# Altium PCB PCB1.PcbDoc (continued)
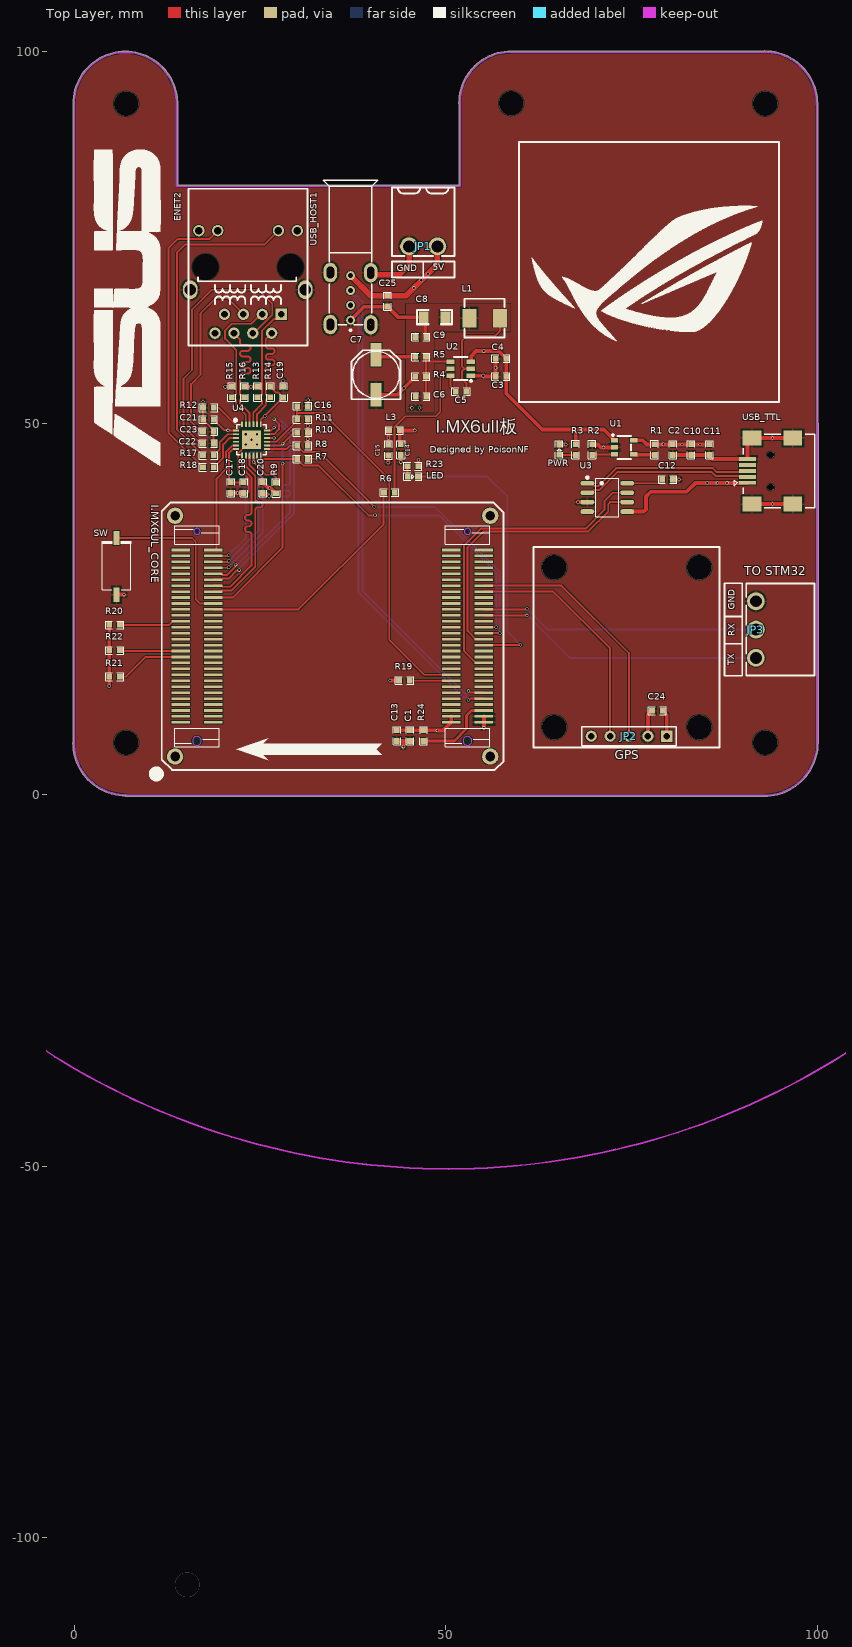
[diagram p0: Top Layer view]
## Part data
C1 C2 C3 C4 C5 C6 C8 C9 C10 C11 C12 C13 C14 C15 C16 C17 C18 C19 C20 C21 C22 C23 C24 C25: library part C
C7: library part C-CM, "贴片电解电容", BOM名称=贴片电解电容, 学习资源=www.ooocke.com, 版权归属=源创客
ENET2: "带灯以太网接口", BOM名称=带灯以太网接口, 学习资源=www.ooocke.com, 版权归属=源创客
I.MX6UL_CORE: library part I.MX6UL核心板, "I.MX6UL核心板"
JP1: Color=绿色, Current Rating (Max)=8A, JLCPCB Part Class="Extended Part", LCSC Part Name="板端/插座-闭口 1x2P 3.81mm 排数:1 每排P数:2 弯针", Manufacturer=KEFA(科发), Operating Temperature Range=-40℃~+105℃, Voltage Rating (Max)=300V, Add into BOM=yes, Connector Type=板端/插座-闭口, Convert to PCB=yes, Datasheet=https://atta.szlcsc.com/upload/public/pdf/source/20230331/6258E6C6BF04EFF922F3E5A9E72A4547.pdf, Device=KF2EDGR-3.81-2P, Manufacturer Part=KF2EDGR-3.81-2P, Mounting Style=弯针, Name=KF2EDGR-3.81-2P, Number of PINs Per Row=2, Number of Rows=1, Pitch=3.81mm, Structure=1x2P, Supplier=LCSC, Supplier Footprint=弯插,P=3.81mm, Supplier Part=C441182, Symbol=KF2EDGR-3.81-2P
JP2: "Header, 5-Pin", LatestRevisionDate=17-Jul-2002, LatestRevisionNote="Re-released for DXP Platform.", Publisher="Altium Limited"
JP3: Color=绿色, Current Rating (Max)=8A, JLCPCB Part Class="Extended Part", LCSC Part Name="板端/插座-闭口 3.81mm 排数:1 每排P数:3 弯针", Manufacturer=KEFA(科发), Operating Temperature Range=-40℃~+105℃, Voltage Rating (Max)=300V, Add into BOM=yes, Connector Type=板端/插座-闭口, Convert to PCB=yes, Datasheet=https://atta.szlcsc.com/upload/public/pdf/source/20191023/C441183_0DEFA45C98AD039C055774507C9A3105.pdf, Device=KF2EDGR-3.81-3P, Manufacturer Part=KF2EDGR-3.81-3P, Mounting Style=弯针, Name=KF2EDGR-3.81-3P, Number of PINs Per Row=3, Number of Rows=1, Pitch=3.81mm, Supplier=LCSC, Supplier Footprint=P=3.81mm, Supplier Part=C441183, Symbol=KF2EDGR-3.81-3P, Wire Gauge - AWG=-, Wire Gauge - mm?=-
L1: library part FXL0530-4R7-M, "4.7uH 5A", DC Resistance (DCR)=50mΩ, JLCPCB Part Class="Extended Part", LCSC Part Name="4.7uH ±20% 4.5A 50mΩ", Manufacturer=cjiang(长江微电), Rated Current=4.5A, Saturation Current (Isat)=5A, Tolerance=±20%, Add into BOM=yes, Convert to PCB=yes, Device=FXL0530-4R7-M, Manufacturer Part=FXL0530-4R7-M, Name=4.7uH, Supplier=LCSC, Supplier Footprint=SMD,5.4x5.2x2.8mm, Supplier Part=C177246, Symbol=FXL0530-4R7-M
L3: library part L, "小功率贴片电感磁珠", BOM名称=小功率贴片电感, 学习资源=www.ooocke.com, 版权归属=源创客
LED PWR: library part LED-SMD, "贴片LED", BOM名称=贴片LED, 学习资源=www.ooocke.com, 版权归属=源创客
R1 R2 R3 R4 R5 R6 R7 R8 R9 R10 R11 R12 R13 R14 R15 R16 R17 R18 R19 R20 R21 R22 R23 R24: library part R
SW: "红头按键", Contact Current=50mA, JLCPCB Part Class="Extended Part", LCSC Part Name="6.1*3.65*2.5mm 立贴 轻触开关", Manufacturer="SHOU HAN(首韩)", Operating Force=250gf@±30gf, Voltage Rating (DC)=36V, Actuator Style=矩形按钮, Add into BOM=yes, Circuit=单刀单掷, Convert to PCB=yes, Datasheet=https://atta.szlcsc.com/upload/public/pdf/source/20190816/C412368_ED995B38C5F41C525244887EA1991E6A.pdf, Device=TS3625A-HT, Manufacturer Part=TS3625A-HT, Mechanical Life=-, Mounting Style=立贴, Name=TS3625A-HT, Supplier=LCSC, Supplier Footprint=SMD,3.7x6.1mm, Supplier Part=C412368, Switch Height=2.5mm, Switch Length=6.1mm, Switch Width=3.65mm, Symbol=TS3625A-HT, With Lamp=-
U1: JLCPCB Part Class="Extended Part", Manufacturer=西安航天民芯, Add into BOM=yes, Convert to PCB=yes, Datasheet=https://atta.szlcsc.com/upload/public/pdf/source/20170418/1492481333031.pdf, Device=MT9700, LCSC Part Name=MT9700, Manufacturer Part=MT9700, Name=MT9700, Supplier=LCSC, Supplier Footprint=SOT-23-5, Supplier Part=C89855, Symbol=MT9700
U2: JLCPCB Part Class="Extended Part", LCSC Part Name="RY3825 Buck, 4-18V, 2A, 600KHz, VFB 0.768V, SOT23-6", Manufacturer=RYCHiP(蕊源), Add into BOM=yes, Convert to PCB=yes, Datasheet=https://atta.szlcsc.com/upload/public/pdf/source/20190329/C370760_D0EF026A080D1BEDE67CDD3EA56352B8.pdf, Device=RY3825, Manufacturer Part=RY3825, Name=RY3825, Supplier=LCSC, Supplier Footprint=SOT-23-6, Supplier Part=C370760, Symbol=RY3825
U3: library part CH340N_C2977777, Designer=U?, Device=CH340N_C2977777, Symbol=CH340N_C2977777
U4: library part LAN8720, "ETH PHY"
USB_HOST1: library part USB-A/S, "USB-A型母接口", BOM名称=USB-A型母接口, 学习资源=www.ooocke.com, 版权归属=源创客
USB_TTL: "微型USB母座", BOM名称=微型USB母座, 学习资源=www.ooocke.com, 版权归属=源创客

## Via types
v1: diameter 0.45, hole 0.3, Top Layer to Bottom Layer, 72 vias
v2: diameter 3.3, hole 3.3, Top Layer to Bottom Layer, 10 vias

## Nets (pads, with @x,y where several pads share a name; then routed paths per layer and width w, separated by ;. In a path a pad name is that pad's centre, name@x,y a point inside that pad or via, vN(x,y) a via of type N, cw(c..) or ccw(c..) an arc to the next point about the centre after c; other vN are vias at no path point)
5V: C1.2 C3.2 C4.2 C13.2 C24.2 C25.2 I.MX6UL_CORE.J2_1 I.MX6UL_CORE.J2_2 JP1.1 JP2.1 R3.2 R24.1 U1.1 U2.3 USB_HOST1.1 | length 59.5
  Top Layer w0.508: C13.2 43.446,8.671 47.014,8.671 R24.1 48.863,8.668 v1(48.895,8.636) 49.648,8.636 I.MX6UL_CORE.J2_1 I.MX6UL_CORE.J2_2 ; U2.3 53.419,58.334 53.464,58.334 53.464,59.052 54.102,59.69 v1(55.118,59.69) 57.15,59.69 C4.2 C3.2 58.166,53.975 62.992,49.149 67.203,49.149 ; R3.2 67.501,48.851 67.203,49.149 ; U1.1 72.53,47.686 72.484,47.732 72.484,47.932 71.267,49.149 67.203,49.149 ; C24.2 79.756,10.751 JP2.1
  Top Layer w0.762: USB_HOST1.1 39.922,67.139 C25.2 44.66,67.139 v1(45.72,68.199) v1(46.736,69.215) v1(47.625,70.104) 48.895,71.374 JP1.1
6D_INT: I.MX6UL_CORE.J2_22
AP_INT: I.MX6UL_CORE.J2_49
AUD_INT: I.MX6UL_CORE.J2_3
BEEP: I.MX6UL_CORE.J2_5
BLT_PWM: I.MX6UL_CORE.J2_16
BOOT_MODE0: I.MX6UL_CORE.J2_7
BOOT_MODE1: I.MX6UL_CORE.J2_8 R19.2 | length 5.6
  Top Layer w0.254: R19.2 45.199,15.336 I.MX6UL_CORE.J2_8
CAN1_RX: I.MX6UL_CORE.J2_35
CAN1_TX: I.MX6UL_CORE.J2_36
CAN2_RX: I.MX6UL_CORE.J2_40
CAN2_TX: I.MX6UL_CORE.J2_39
CSI_DATA0: I.MX6UL_CORE.J1_56
CSI_DATA1: I.MX6UL_CORE.J1_57
CSI_DATA2: I.MX6UL_CORE.J1_3
CSI_DATA3: I.MX6UL_CORE.J1_59
CSI_DATA4: I.MX6UL_CORE.J1_55
CSI_DATA5: I.MX6UL_CORE.J1_6
CSI_DATA6: I.MX6UL_CORE.J1_4
CSI_DATA7: I.MX6UL_CORE.J1_58
CSI_HSYNC: I.MX6UL_CORE.J1_1
CSI_MCLK: I.MX6UL_CORE.J1_2
CSI_PIXCLK: I.MX6UL_CORE.J1_5
CSI_PWDN: I.MX6UL_CORE.J2_14
CSI_RESET: I.MX6UL_CORE.J2_13
CSI_VSYNC: I.MX6UL_CORE.J1_60
CT_INT: I.MX6UL_CORE.J2_15
CT_RST: I.MX6UL_CORE.J1_48
D_N: U3.2 USB_TTL.2 | length 23
  Top Layer w0.254: U3.2 69.646,40.64 70.027,41.021 70.739,41.021 73.152,43.434 85.769,43.434 86.296,42.907 89.446,42.907 89.469,42.884 90.495,42.884 USB_TTL.2
D_P: U3.1 USB_TTL.3 | length 23
  Top Layer w0.254: U3.1 69.646,41.91 70.027,41.529 70.529,41.529 72.942,43.942 85.979,43.942 86.506,43.415 89.446,43.415 89.469,43.438 90.495,43.438 USB_TTL.3
ECSPI3_SCLK: I.MX6UL_CORE.J2_41 JP3.2 | length 37.8
  Top Layer w0.254: I.MX6UL_CORE.J2_41 60.824,24.936 60.907,25.019 v1(60.96,25.019)
  Bottom Layer w0.254: v1(60.96,25.019) 63.754,22.225 JP3.2
ECSPI3_SS0: I.MX6UL_CORE.J2_42 JP3.1 | length 39
  Top Layer w0.254: I.MX6UL_CORE.J2_42 55.151,24.133 60.957,24.133 v1(60.96,24.13)
  Bottom Layer w0.254: v1(60.96,24.13) 66.675,18.415 JP3.1
ENET1_CRS_DV: I.MX6UL_CORE.J2_25
ENET1_INT_TREE#: I.MX6UL_CORE.J2_11
ENET1_RST: I.MX6UL_CORE.J2_10
ENET1_RXD0: I.MX6UL_CORE.J2_26
ENET1_RXD1: I.MX6UL_CORE.J2_24
ENET1_RXER: I.MX6UL_CORE.J2_30
ENET1_TX_CLK: I.MX6UL_CORE.J2_29
ENET1_TXD0: I.MX6UL_CORE.J2_23
ENET1_TXD1: I.MX6UL_CORE.J2_28
ENET1_TXEN: I.MX6UL_CORE.J2_27
ENET2_CRS_DV: I.MX6UL_CORE.J1_33 U4.11 | length 18.1
  Top Layer w0.254: I.MX6UL_CORE.J1_33 20.668,31.336 v1(20.828,31.496) ; U4.11 24.626,44.892 v1(24.848,44.67)
  Bottom Layer w0.254: v1(20.828,31.496) 24.821,35.489 24.821,44.644 v1(24.848,44.67)
ENET2_INT_TREE#: I.MX6UL_CORE.J1_39 R10.2 U4.14 | length 30.9
  Top Layer w0.254: I.MX6UL_CORE.J1_39 21.329,26.536 28.067,33.274 v1(28.067,44.577) ; U4.14 27.825,47.002 v1(28.067,47.244) 29.551,48.728 R10.2
  Bottom Layer w0.254: v1(28.067,44.577) v1(28.067,47.244)
ENET2_LED1: R18.2 U4.3 | length 5.6
  Top Layer w0.254: R18.2 20.066,45.339 20.066,47.117 20.951,48.002 U4.3
ENET2_LED2: R17.2 U4.2 | length 4.7
  Top Layer w0.254: R17.2 19.614,46.487 19.614,47.431 20.062,47.879 20.066,47.879 20.689,48.502 U4.2
ENET2_RST: C16.1 I.MX6UL_CORE.J2_9 R11.2 U4.15 | length 55.1
  Top Layer w0.254: U4.15 27.182,47.502 30.023,50.343 R11.2 30.023,51.39 ; C16.1 30.023,52.277 30.023,51.39 ; I.MX6UL_CORE.J2_9 47.11,16.136 42.418,20.828 42.418,42.418 33.446,51.39 30.023,51.39
ENET2_RX_N: ENET2.6 R16.1 U4.22 | length 20
  Top Layer w0.254: ENET2.6 22.331,61.289 22.331,60.998 22.331,60.87 ccw(c22.712,60.87) 22.712,60.489 23.371,60.489 cw(c23.371,60.108) 23.371,59.727 22.712,59.727 ccw(c22.712,59.346) 22.712,58.965 23.371,58.965 cw(c23.371,58.584) 23.371,58.203 22.712,58.203 ccw(c22.712,57.822) 22.712,57.441 23.371,57.441 cw(c23.371,57.06) 23.371,56.679 22.712,56.679 ccw(c22.712,56.298) 22.331,56.298 22.331,55.753 22.331,53.869 22.48,53.72 22.691,53.72 R16.1 22.691,53.213 22.48,53.213 22.331,53.064 22.331,52.652 23.622,51.361 23.622,50.292
ENET2_RX_P: ENET2.3 R15.1 U4.23 | length 20
  Top Layer w0.254: 23.114,50.292 23.114,51.15 21.823,52.442 21.823,53.064 21.674,53.213 21.463,53.213 R15.1 21.463,53.721 21.674,53.721 21.823,53.87 21.823,59.838 20.32,61.341 20.32,62.484 21.209,63.373 23.876,63.373 25.148,64.645 ENET2.3
ENET2_RXD_N: I.MX6UL_CORE.J1_38 U4.8 | length 23.4
  Top Layer w0.254: I.MX6UL_CORE.J1_38 19.823,27.336 19.969,27.482 21.215,27.482 24.384,30.651 24.384,37.391 24.384,38.28 cw(c24.765,38.28) 24.765,38.661 25.006,38.661 ccw(c25.006,39.042) 25.006,39.423 24.765,39.423 cw(c24.765,39.804) 24.384,39.804 24.384,40.349 24.384,42.926 23.114,44.196 23.114,45.212
ENET2_RXD_P: I.MX6UL_CORE.J1_37 U4.7 | length 23.5
  Top Layer w0.254: I.MX6UL_CORE.J1_37 19.823,28.136 19.969,27.99 21.005,27.99 23.876,30.861 23.876,34.854 23.876,34.981 ccw(c23.495,34.981) 23.495,35.362 23.374,35.362 cw(c23.374,35.743) 23.374,36.124 23.495,36.124 ccw(c23.495,36.505) 23.495,36.886 23.374,36.886 cw(c23.374,37.267) 23.374,37.648 23.495,37.648 ccw(c23.495,38.029) 23.876,38.029 23.876,39.364 23.876,40.349 23.876,42.716 22.606,43.986 22.606,45.212
ENET2_RXER: I.MX6UL_CORE.J1_34 R9.2 U4.10 | length 25.7
  Top Layer w0.254: I.MX6UL_CORE.J1_34 20.757,30.536 v1(20.828,30.607) ; U4.10 24.128,45.649 24.128,44.781 v1(24.164,44.746) 24.164,44.715 25.826,43.053 26.797,43.053 27.178,42.672 R9.2
  Bottom Layer w0.254: v1(20.828,30.607) 20.828,30.66 21.225,31.057 21.225,31.091 25.4,35.267 25.4,44.958 25.019,45.339 24.384,45.339 24.164,45.119 v1(24.164,44.746)
ENET2_TX_CLK: I.MX6UL_CORE.J1_31 U4.5 | length 15.8
  Top Layer w0.254: I.MX6UL_CORE.J1_31 19.129,32.936 19.177,32.984 19.177,42.545 20.474,43.842 20.474,46.121 21.355,47.002 U4.5
ENET2_TX_N: ENET2.2 R14.1 U4.20 | length 16.9
  Top Layer w0.254: U4.20@24.631,50.238 24.631,51.218 25.802,52.389 25.802,53.065 25.951,53.214 26.163,53.214 R14.1 26.162,53.721 25.951,53.721 25.802,53.87 25.802,56.315 25.802,57.398 cw(c26.183,57.398) 26.18,57.779 26.637,57.782 ccw(c26.634,58.163) 27.015,58.167 ccw(c26.634,58.163) 26.631,58.544 26.19,58.541 cw(c26.186,58.922) 26.183,59.303 26.624,59.306 ccw(c26.621,59.687) 27.002,59.691 ccw(c26.621,59.687) 26.618,60.068 26.186,60.065 cw(c26.183,60.446) 25.802,60.446 25.802,61.28 26.393,61.871 26.595,62.073 ENET2.2
ENET2_TX_P: ENET2.1 R13.1 U4.21 | length 16.9
  Top Layer w0.254: U4.21@24.123,50.238 24.123,51.428 25.294,52.599 25.294,53.065 25.145,53.214 24.934,53.214 R13.1 24.934,53.721 25.145,53.721 25.294,53.87 25.294,62.403 26.901,64.01 27.23,64.01 ENET2.1
ENET2_TXD_N: I.MX6UL_CORE.J1_36 U4.17 | length 32
  Top Layer w0.254: I.MX6UL_CORE.J1_36 19.823,28.936 19.969,29.082 20.796,29.082 21.908,30.194 22.193,30.194 v1(22.225,30.226) ; 26.416,48.514 26.924,48.514 27.559,49.149 27.559,49.911 v1(26.924,50.546)
  Bottom Layer w0.254: v1(22.225,30.226) 22.263,30.264 22.263,30.487 29.591,37.815 29.591,48.641 28.029,50.203 27.267,50.203 v1(26.924,50.546)
ENET2_TXD_P: I.MX6UL_CORE.J1_35 U4.18 | length 31.9
  Top Layer w0.254: I.MX6UL_CORE.J1_35@17.673,29.736 I.MX6UL_CORE.J1_35 19.823,29.736 19.969,29.59 20.586,29.59 21.701,30.705 21.701,30.929 v1(21.739,30.966) ; U4.18@26.289,49.022 26.543,49.022 v1(26.924,49.403)
  Bottom Layer w0.254: v1(21.739,30.966) 21.771,30.998 22.056,30.998 29.083,38.026 29.083,38.873 29.083,39 ccw(c28.702,39) 28.702,39.381 28.435,39.381 cw(c28.435,39.762) 28.435,40.143 28.702,40.143 ccw(c28.702,40.524) 28.702,40.905 28.435,40.905 cw(c28.435,41.286) 28.435,41.667 28.702,41.667 ccw(c28.702,42.048) 29.083,42.048 29.083,42.928 29.083,48.431 27.819,49.695 27.216,49.695 v1(26.924,49.403)
ENET2_TXEN: I.MX6UL_CORE.J1_32 U4.16 | length 22.9
  Top Layer w0.254: I.MX6UL_CORE.J1_32 20.706,32.136 v1(20.828,32.258) ; U4.16 26.92,48.002 v1(26.924,48.006)
  Bottom Layer w0.254: v1(20.828,32.258) 23.114,34.544 23.114,45.466 23.749,46.101 26.416,46.101 26.924,46.609 v1(26.924,48.006)
ENET_MDC: I.MX6UL_CORE.J2_45 R8.1 U4.13 | length 50
  Top Layer w0.254: U4.13 28.581,46.502 29.035,46.956 R8.1 30.878,46.101 33.02,46.101 v1(40.386,38.735) ; I.MX6UL_CORE.J2_45@54.073,21.736 I.MX6UL_CORE.J2_45 57.258,21.736 v1(57.277,21.717)
  Bottom Layer w0.254: v1(40.386,38.735) 48.514,38.735 57.277,29.972 v1(57.277,21.717)
ENET_MDIO: I.MX6UL_CORE.J2_44 R7.1 U4.12 | length 47.5
  Top Layer w0.254: U4.12 25.126,45.38 25.325,45.181 R7.1 30.277,44.927 30.277,44.907 30.861,44.323 32.893,44.323 39.624,37.592 v1(40.513,37.592) ; I.MX6UL_CORE.J2_44 55.152,22.532 56.821,22.532 v1(56.825,22.528)
  Bottom Layer w0.254: v1(40.513,37.592) 49.156,37.592 56.825,29.923 v1(56.825,22.528)
GND: C1.1 C2.1 C3.1 C4.1 C7.2 C8.1 C9.1 C10.1 C11.1 C12.1 C13.1 C14.1 C15.1 C16.2 C17.1 C18.1 C19.1 C20.1 C21.1 C22.1 C23.1 C24.1 C25.1 ENET2.8 ENET2.13 ENET2.14 I.MX6UL_CORE.J2_59 I.MX6UL_CORE.J2_60 JP1.2 JP2.2 JP3.3 PWR.2 R2.2 R4.1 R12.1 SW.1 U1.2 U2.1 U3.3 U4.25 USB_HOST1.4 USB_HOST1.5 USB_TTL.5 | length 95.8
  Top Layer w0.254: v1@17.366,52.892 v1(17.361,52.887) R12.1 17.361,50.476 C21.1 18.536,49.301 18.536,49.12 C23.1 C22.1 ; C18.1 22.911,40.64 23.346,40.64 23.495,40.789 23.495,42.545 23.05,42.99 22.543,42.99 22.098,43.434 22.098,45.974 23.114,46.99 v1(23.114,47.117) 23.749,47.752 v1(23.876,47.752) ; C16.2 31.496,52.315 v1(31.496,53.086)
  Top Layer w0.508: SW.1 v1(6.731,26.924) ; C17.1 v1(21.984,40.589) C18.1 ; C20.1 25.527,40.462 25.976,40.462 v1(26.278,40.161) ; C19.1 v1(28.161,55.702) ; USB_HOST1.4 39.02,65.659 42.12,65.659 C25.1 43.605,64.262 C8.1 47.263,64.052 47.263,61.722 C9.1 ; C7.2 43.528,53.815 44.372,54.659 44.372,54.698 R4.1 ; v1(42.291,44.704) C15.1 ; C13.1 44.327,7.239 ; C14.1 43.964,44.766 v1(43.975,44.755) ; v1(44.323,6.477) 44.323,7.235 44.327,7.239 ; C1.1 44.327,7.239 ; U2.1 v1(55.05,56.388) 55.177,56.261 C3.1 C4.1 ; v1(55.147,8.995) I.MX6UL_CORE.J2_60 ; I.MX6UL_CORE.J2_60 I.MX6UL_CORE.J2_59 ; PWR.2 v1(66.165,47.119) v1@66.167,47.117 ; v1(67.818,39.37) U3.3 ; R2.2 69.745,47.117 70.485,47.117 70.866,46.736 U1.2 ; JP2.2 77.216,10.751 C24.1 ; C2.1 C11.1 85.617,45.583 85.617,45.459 85.915,45.161 90.618,45.161 90.618,47.403 91.226,48.011 v1(93.976,48.011) USB_TTL.5@96.726,48.011 ; C12.1 v1(81.407,42.418) ; USB_TTL.5@91.226,39.111 USB_TTL.5@96.726,39.111
  Top Layer w0.762: USB_HOST1.5@39.929,70.243 40.195,69.977 43.815,69.977 45.085,71.247 JP1.2
  other v1: 93.976,39.111 71.247,46.736 24.638,47.117 23.114,48.514 24.638,48.514 44.372,54.694 56.731,57.468
GPIO_0: I.MX6UL_CORE.J2_51
GPIO_3: I.MX6UL_CORE.J2_47 LED.2 | length 38.7
  Top Layer w0.254: LED.2 46.293,42.799 v1(48.26,42.799) ; I.MX6UL_CORE.J2_47 55.177,20.165 60.043,20.165 v1(60.071,20.193)
  Bottom Layer w0.254: v1(48.26,42.799) 55.626,42.799 58.293,40.132 58.293,21.971 v1(60.071,20.193)
GPIO_5: I.MX6UL_CORE.J1_47
I2C1_SCL: I.MX6UL_CORE.J2_33
I2C1_SDA: I.MX6UL_CORE.J2_34
I2C2_SCL: I.MX6UL_CORE.J2_31
I2C2_SDA: I.MX6UL_CORE.J2_32
JTAG_nTRST: I.MX6UL_CORE.J2_21
JTAG_TCK: I.MX6UL_CORE.J2_19
JTAG_TDI: I.MX6UL_CORE.J2_17
JTAG_TDO: I.MX6UL_CORE.J2_18
JTAG_TMS: I.MX6UL_CORE.J2_20
KEY0: I.MX6UL_CORE.J2_48
LCD_DATA0: I.MX6UL_CORE.J1_7
LCD_DATA1: I.MX6UL_CORE.J1_8
LCD_DATA2: I.MX6UL_CORE.J1_9
LCD_DATA3: I.MX6UL_CORE.J1_10
LCD_DATA4: I.MX6UL_CORE.J1_11
LCD_DATA5: I.MX6UL_CORE.J1_12 R21.2 | length 9.3
  Top Layer w0.254: R21.2 6.985,15.875 9.646,18.536 I.MX6UL_CORE.J1_12
LCD_DATA6: I.MX6UL_CORE.J1_13 R22.2 | length 8.2
  Top Layer w0.254: R22.2 6.274,19.336 I.MX6UL_CORE.J1_13
LCD_DATA7: I.MX6UL_CORE.J1_14
LCD_DATA8: I.MX6UL_CORE.J1_15
LCD_DATA9: I.MX6UL_CORE.J1_16
LCD_DATA10: I.MX6UL_CORE.J1_17
LCD_DATA11: I.MX6UL_CORE.J1_18 R20.2 | length 8.4
  Top Layer w0.254: R20.2 12.797,22.86 13.273,23.336 I.MX6UL_CORE.J1_18
LCD_DATA12: I.MX6UL_CORE.J1_19
LCD_DATA13: I.MX6UL_CORE.J1_20
LCD_DATA14: I.MX6UL_CORE.J1_21
LCD_DATA15: I.MX6UL_CORE.J1_22
LCD_DATA16: I.MX6UL_CORE.J1_23
LCD_DATA17: I.MX6UL_CORE.J1_24
LCD_DATA18: I.MX6UL_CORE.J1_25
LCD_DATA19: I.MX6UL_CORE.J1_26
LCD_DATA20: I.MX6UL_CORE.J1_27
LCD_DATA21: I.MX6UL_CORE.J1_28
LCD_DATA22: I.MX6UL_CORE.J1_29
LCD_DATA23: I.MX6UL_CORE.J1_30
LCD_DE: I.MX6UL_CORE.J1_46
LCD_HSYNC: I.MX6UL_CORE.J1_44
LCD_PCLK: I.MX6UL_CORE.J1_45
LCD_VSYNC: I.MX6UL_CORE.J1_43
NetC5_1: C5.1 U2.6 | length 2.4
  Top Layer w0.254: U2.6 50.673,54.908 C5.1
NetC5_2: C5.2 L1.2 U2.2 | length 15.6
  Top Layer w0.254: C5.2 52.788,55.394 52.197,55.985 52.197,56.988 52.547,57.338 ; U2.2 52.547,57.338 ; L1.2 57.295,62.375 56.642,61.722 52.832,61.722 52.197,61.087 52.197,57.658 52.517,57.338 52.547,57.338
NetC6_2: C6.2 R4.2 R5.2 U2.4 | length 8.9
  Top Layer w0.254: C6.2 47.371,53.626 R4.2 R5.2 48.013,58.288 U2.4
NetC12_2: C12.2 U3.8 | length 4.9
  Top Layer w0.254: U3.8 78.657,41.91 C12.2
NetC17_2: C17.2 C18.2 U4.6 | length 7
  Top Layer w0.254: U4.6 21.773,46.5 21.354,46.5 20.828,45.974 20.828,43.307 20.853,43.282 20.853,42.278 C17.2 21.175,42.024 21.193,42.006 22.842,42.006 C18.2
NetC22_2: C22.2 ENET2.4 | length 38.2
  Top Layer w0.254: C22.2@17.101,47.52 C22.2 ; C22.2@17.478,47.038 17.478,47.143 C22.2 ; ENET2.4 24.183,62.105 26.67,64.592 26.67,66.04 24.765,67.945 18.542,67.945 15.875,65.278 15.875,57.15 14.732,56.007 14.732,49.53 16.996,47.266 C22.2
NetC23_2: C23.2 ENET2.5 | length 24.5
  Top Layer w0.254: C23.2@17.07,48.843 15.748,50.165 15.748,55.245 17.018,56.515 17.018,64.77 19.05,66.802 20.701,66.802 22.785,64.718 ENET2.5
NetENET2_10: ENET2.10 R17.1 | length 43.9
  Top Layer w0.254: R17.1@17.554,45.438 17.554,45.476 17.107,45.923 17.069,45.923 13.843,49.149 13.843,72.898 14.986,74.041 25.651,74.041 ENET2.10
NetENET2_11: ENET2.11 R18.1 | length 39
  Top Layer w0.254: R18.1 12.7,48.73 12.7,73.533 13.97,74.803 18.243,74.803 ENET2.11
NetLED_1: LED.1 R23.2 | length 1.4
  Top Layer w0.254: R23.2 44.875,42.831 LED.1
NetPWR_1: PWR.1 R3.1 | length 2.2
  Top Layer w0.254: PWR.1 67.469,45.735 R3.1
NetR1_1: R1.1 U1.4 | length 2.8
  Top Layer w0.508: U1.4 75.371,45.745 78.083,45.745 R1.1
NetR2_1: R2.1 U1.3 | length 3
  Top Layer w0.254: R2.1 69.806,45.786 U1.3
NetR6_2: R6.2 U2.5 | length 22.4
  Top Layer w0.254: R6.2 43.136,49.486 44.577,50.927 48.641,50.927 49.276,51.562 49.276,56.261 50.18,57.165 50.5,57.165 U2.5
NetR12_2: R12.2 U4.24 | length 4.7
  Top Layer w0.254: R12.2 19.481,52.07 21.698,49.853 U4.24
nUSB_OTG_CHD: I.MX6UL_CORE.J2_52
ON_OFF: I.MX6UL_CORE.J2_4
PMIC_ON_REQ: I.MX6UL_CORE.J1_41 R6.1 | length 31.9
  Top Layer w0.254: I.MX6UL_CORE.J1_41 30.196,24.936 41.656,36.396 41.656,40.596 R6.1
PPS: JP2.5
RESET: I.MX6UL_CORE.J1_40 SW.2 | length 21.2
  Top Layer w0.254: SW.2 15.875,34.544 16.383,34.036 16.383,26.289 16.936,25.736 I.MX6UL_CORE.J1_40
SD1_CLK: I.MX6UL_CORE.J1_54
SD1_CMD: I.MX6UL_CORE.J1_53
SD1_DATA0: I.MX6UL_CORE.J1_49
SD1_DATA1: I.MX6UL_CORE.J1_50
SD1_DATA2: I.MX6UL_CORE.J1_52
SD1_DATA3: I.MX6UL_CORE.J1_51
SMVS_TAMPER2: I.MX6UL_CORE.J2_12
SNVS_TAMPER0: I.MX6UL_CORE.J2_6
UART1_RTS: I.MX6UL_CORE.J2_43
UART1_RXD: I.MX6UL_CORE.J2_46 U3.6 | length 38.5
  Top Layer w0.254: I.MX6UL_CORE.J2_46 54.073,20.936 52.959,22.05 52.959,33.274 55.118,35.433 69.215,35.433 71.882,38.1 71.882,39.116 72.136,39.37 U3.6
UART1_TXD: I.MX6UL_CORE.J2_50 U3.7 | length 43.1
  Top Layer w0.254: I.MX6UL_CORE.J2_50 54.073,17.736 52.451,19.358 52.451,33.528 54.737,35.814 68.834,35.814 71.374,38.354 71.374,39.497 72.517,40.64 U3.7
UART3_RXD: I.MX6UL_CORE.J2_37 JP2.3 | length 34.5
  Top Layer w0.254: I.MX6UL_CORE.J2_37 65.59,28.136 74.676,19.05 JP2.3
UART3_TXD: I.MX6UL_CORE.J2_38 JP2.4 | length 32
  Top Layer w0.254: I.MX6UL_CORE.J2_38 64.485,27.336 72.136,19.685 JP2.4
USB_OTG1_D_N: I.MX6UL_CORE.J2_53
USB_OTG1_D_P: I.MX6UL_CORE.J2_54
USB_OTG1_VBUS: I.MX6UL_CORE.J2_57
USB_OTG2_D_N: I.MX6UL_CORE.J2_55 USB_HOST1.2 | length 63.8
  Top Layer w0.254: USB_HOST1.2 USB_HOST1.2@37.306,67.85 ; v1(53.086,13.97) 53.32,13.736 I.MX6UL_CORE.J2_55
  Bottom Layer w0.254: USB_HOST1.2 37.211,67.594 37.493,67.312 37.493,67.253 37.642,67.104 38.063,67.104 38.802,66.365 38.802,59.944 38.802,57.277 38.802,27.416 52.629,13.589 52.839,13.589 52.988,13.738 52.988,13.819 53.086,13.917 v1(53.086,13.97)
USB_OTG2_D_P: I.MX6UL_CORE.J2_56 USB_HOST1.3 | length 64
  Top Layer w0.254: USB_HOST1.3 USB_HOST1.3@37.392,65.669 ; v1(53.086,12.7) 53.322,12.936 I.MX6UL_CORE.J2_56
  Bottom Layer w0.254: USB_HOST1.3 37.211,66.106 37.493,66.388 37.493,66.447 37.642,66.596 37.852,66.596 38.294,66.155 38.294,27.206 52.418,13.081 52.839,13.081 52.988,12.932 52.988,12.851 53.086,12.753 v1(53.086,12.7)
USB_OTG2_VBUS: I.MX6UL_CORE.J2_58 R24.2 | length 10.9
  Top Layer w0.381: R24.2 51.175,7.233 52.832,8.89 52.832,10.668 53.5,11.336 I.MX6UL_CORE.J2_58
VCC_3V3: C6.1 C7.1 C8.2 C9.2 C14.2 L1.1 L3.1 R5.1 R19.1 R20.1 R21.1 R22.1 R23.1 | length 20.2
  Top Layer w0.381: C14.2 C14.2@44.009,47.184
  Top Layer w0.508: v1@4.733,14.625 v1(4.743,14.635) R21.1 R22.1 R20.1 ; C7.1 40.925,58.93 R5.1 R5.1@45.945,58.94 ; v1(42.545,15.367) R19.1 ; C14.2 43.815,47.288 L3.1 v1(45.847,49.022) ; C9.2@45.945,61.585 C9.2 ; R23.1 46.355,44.24 v1(46.355,45.085) ; C8.2@50.038,64.214 C8.2@50.03,64.206 ; C8.2@50.101,64.135 C8.2@50.03,64.206 ; C8.2@50.03,64.206 C8.2 49.974,64.15 C8.2@50.03,64.206
  other v1: 45.466,52.07 46.482,52.07
VDD_COIN_3V: I.MX6UL_CORE.J1_42
VENET_3V3: C15.2 C19.2 C20.2 C21.2 ENET2.9 ENET2.12 L3.2 R7.2 R8.2 R9.1 R10.1 R11.1 R13.2 R14.2 R15.2 R16.2 U4.1 U4.9 U4.19 | length 26.9
  Top Layer w0.254: C21.2 20.213,49.06 20.663,49.06 20.719,49.004 21.773,49.004 U4.1 ; U4.9 23.625,45.65 23.625,44.326 25.314,42.638 25.314,42.111 C20.2 ; U4.19 25.126,50.425 C19.2 27.52,54.102 27.216,54.102 R14.2 ; R7.2 31.489,45.212 v1(32.639,45.212)
  Top Layer w0.508: v1@20.32,54.864 20.358,54.902 R15.2 ; R16.2 R13.2 ; C20.2 26.149,41.275 26.46,41.275 R9.1 ; R8.2 31.458,47.849 31.458,49.632 v1(31.451,49.639) 31.458,49.646 R11.1 ; C15.2 42.316,47.142 42.316,48.958 L3.2
  other v1: 26.289,41.275 31.438,47.849 42.316,48.026 20.701,49.022 25.654,50.927 20.339,54.883 23.812,54.902
VUSB: C2.2 C10.2 C11.2 R1.2 U1.5 U3.5 USB_TTL.1 | length 29.2
  Top Layer w0.508: U3.5 76.664,38.1 76.962,38.398 76.962,40.132 77.597,40.767 82.423,40.767 83.617,41.961 85.189,41.961 v1(85.198,41.953) 85.206,41.961 86.574,41.961 86.577,41.959 v1(87.88,41.959) 87.882,41.961 USB_TTL.1 ; U1.5 76.52,47.686 77.089,47.117 85.462,47.117 C11.2
  other v1: 86.574,41.951 81.805,47.124 84.273,47.124 79.307,47.153
pads on no net: ENET2.0 ENET2.7 I.MX6UL_CORE.0 U3.4 U4.4 USB_TTL.4 USB_TTL.MH1 USB_TTL.MH2
copper on no net:
  other v2: 15.244,-106.308 7,7 93,7 64.599,9.11 84.119,9.11 64.599,30.59 84.119,30.59 7,93 93,93 58.816,93.039

## Polygon pours and split planes (outlines as drawn)
GND on Bottom Layer "NONET_L-01_P-001" (solid, remove dead copper, pour order 2): -6.858,104.013 107.95,104.013 107.95,-8.128 -6.731,-8.128
GND on Top Layer "NONET_L-01_P-001" (solid, remove dead copper, pour order 1): -6.858,104.013 107.95,104.013 107.95,-8.128 -6.731,-8.128
VCC_3V3 on Top Layer "NONET_L-01_P-001" (solid, remove dead copper, pour order 0): 44.704,66.04 44.704,51.435 48.387,51.435 48.387,62.357 58.674,62.357 58.674,62.738 58.674,66.04
VCC_3V3 on PWR (split plane): 47.369,43.434 47.369,11.813 42.291,11.813 42.241,11.804 42.199,11.776 42.171,11.734 42.162,11.684 42.162,7.62 42.162,6.858 42.162,6.477 42.162,0.798 7.288,0.798 7.202,0.828 7.114,0.845 7.049,0.872 7.049,0.855 7.071,0.854 7.114,0.845 7.071,0.854 7.049,0.855 6.938,0.862 6.929,0.862 6.642,0.87 6.301,0.899 5.961,0.947 5.625,1.013 5.293,1.099 4.966,1.203 4.646,1.325 4.333,1.465 4.029,1.623 3.733,1.797 3.448,1.987 3.175,2.193 2.913,2.415 2.664,2.65 2.428,2.899 2.207,3.161 2.001,3.435 1.81,3.72 1.636,4.015 1.479,4.32 1.339,4.633 1.217,4.953 1.112,5.28 1.027,5.612 0.96,5.948 0.912,6.287 0.883,6.629 0.878,6.8 0.949,6.971 0.891,6.971 0.896,7.04 0.896,39.622 43.18,39.622 43.23,39.631 43.272,39.659 43.3,39.701 43.309,39.751 43.309,61.466 47.369,61.466
5V on PWR (split plane): 51.56,60.452 51.569,60.402 51.597,60.36 51.639,60.332 51.689,60.323 59.18,60.323 59.18,51.562 59.18,11.684 59.189,11.634 59.217,11.592 59.259,11.564 59.309,11.555 81.532,11.555 81.532,6.477 81.532,0.798 42.42,0.798 42.42,6.858 42.42,7.62 42.42,11.555 47.498,11.555 47.548,11.564 47.59,11.592 47.618,11.634 47.627,11.684 47.627,43.434 47.627,61.595 47.618,61.645 47.59,61.687 47.548,61.715 47.498,61.724 32.514,61.724 32.514,81.024 51.56,81.024
no net on PWR (split plane): 0.887,6.907 0.877,6.856 0.877,6.857 0.887,6.907 0.891,6.971
VENET_3V3 on PWR (split plane): 6.903,99.008 6.903,99.007 6.904,99.007 6.906,99.007 6.909,99.007 6.911,99.007 6.929,99.008 7.236,99 7.572,98.971 7.906,98.924 8.237,98.858 8.563,98.774 8.884,98.672 9.199,98.552 9.507,98.414 9.806,98.259 10.097,98.088 10.377,97.901 10.647,97.698 10.904,97.48 11.149,97.249 11.381,97.004 11.598,96.746 11.801,96.477 11.988,96.196 12.16,95.906 12.314,95.607 12.452,95.299 12.572,94.984 12.675,94.663 12.759,94.336 12.825,94.006 12.872,93.672 12.898,93.357 12.899,93.357 12.9,93.345 12.844,93.345 12.918,93.167 12.918,82.042 12.926,81.909 12.952,81.779 12.995,81.653 13.054,81.533 13.128,81.423 13.216,81.322 13.316,81.235 13.427,81.161 13.546,81.102 13.672,81.059 13.803,81.033 13.936,81.024 32.256,81.024 32.256,61.595 32.265,61.545 32.293,61.503 32.335,61.475 32.385,61.466 43.051,61.466 43.051,39.88 0.896,39.88 0.896,92.965 0.893,92.999 0.965,92.999 0.894,93.17 0.898,93.336 0.927,93.672 0.974,94.006 1.04,94.336 1.124,94.663 1.226,94.984 1.346,95.299 1.484,95.607 1.639,95.906 1.81,96.197 1.997,96.477 2.2,96.746 2.418,97.004 2.649,97.249 2.894,97.48 3.152,97.698 3.421,97.901 3.702,98.088 3.992,98.259 4.291,98.414 4.599,98.552 4.914,98.672 5.235,98.774 5.562,98.859 5.892,98.924 6.226,98.971 6.562,99 6.856,99.008 6.853,98.955 6.903,98.934 6.903,99.007 6.881,99.009 6.884,99.009
VUSB on PWR (split plane): 99.09,34.292 62.994,34.292 62.994,52.83 99.081,52.83
no net on PWR (split plane): 153 vertices, not listed, extent 51.818,0.797 99.105,99.058
no net on PWR (split plane): 93.026,99.06 93.004,99.056 92.929,99.051 93.004,99.056 93.026,99.06
no net on PWR (split plane): 99.046,92.892 99.061,92.819 99.046,92.892 99.042,92.951
GND on GND (split plane): 266 vertices, not listed, extent 0.367,0.289 99.613,99.569
no net on GND (split plane): 6.904,99.515 6.886,99.517 6.89,99.517
GND on GND (split plane): 52.316,93.061 52.3,93.115
GND on GND (split plane): 92.986,99.569 92.971,99.564 92.929,99.56 92.971,99.564 92.986,99.569

## Keep-outs
Keep-Out Layer:
  lines w0.254: -0.015,6.971 ccw(c6.985,6.971) 6.985,-0.029 ; 0,92.999 cw(c6.899,92.999) 6.904,99.898 ; 0.005,6.951 0.005,93 ; 6.899,99.898 cw(c6.899,92.999) 13.798,92.999 ; 7.049,-0.093 92.867,-0.093 ccw(c92.867,7.035) 99.995,7.035 99.951,92.951 ; 13.808,93.345 13.808,81.915 51.943,81.915 51.943,93.472 ; 51.917,93.039 cw(c58.816,93.039) 58.816,99.938 92.915,99.938 ; 92.929,99.951 cw(c92.929,92.951) 99.929,92.951 ; 150.114,44.344 cw(c50.255,49.651) 150.252,50.44

## Other copper
PWR (plane layer: these items are gaps in the copper):
  lines w0.254: 0,39.751 43.18,39.751 43.18,61.595 ; 32.385,82.042 32.385,61.595 44.704,61.595 47.498,61.595 47.498,43.434 47.498,11.684 44.704,11.684 42.291,11.684 42.291,7.62 42.291,6.477 ; 42.291,6.858 42.291,0.254 42.672,-0.127 44.704,-0.127 ; 51.689,82.042 51.689,60.452 59.309,60.452 59.309,51.562 59.309,11.684 81.661,11.684 81.661,6.477 81.661,-0.127 ; 100.076,34.163 62.865,34.163 62.865,52.959 100.076,52.959

## Silkscreen, mask and mechanical layers (free items; w line width, h text height)
Top Overlay:
  drawing of 28 lines, arcs and shapes, not listed
  text "5V" at 48.26,70.247 h1.52
  text "GND" at 43.434,70.12 h1.52
  text "I.MX6ull板" at 48.643,48.079 h3
  text "Designed by PoisonNF" at 47.88,45.652 h1.52
  text "TO STM32" at 90.17,29.106 h2.03
  text "GND" at 89.265,24.892 h1.52 r90
  text "RX" at 89.257,21.343 h1.52 r90
  text "TX" at 89.154,17.399 h1.52 r90
  text "GPS" at 72.771,4.339 h2.03